# KiCad board MegaDrive.kicad_pcb (continued)
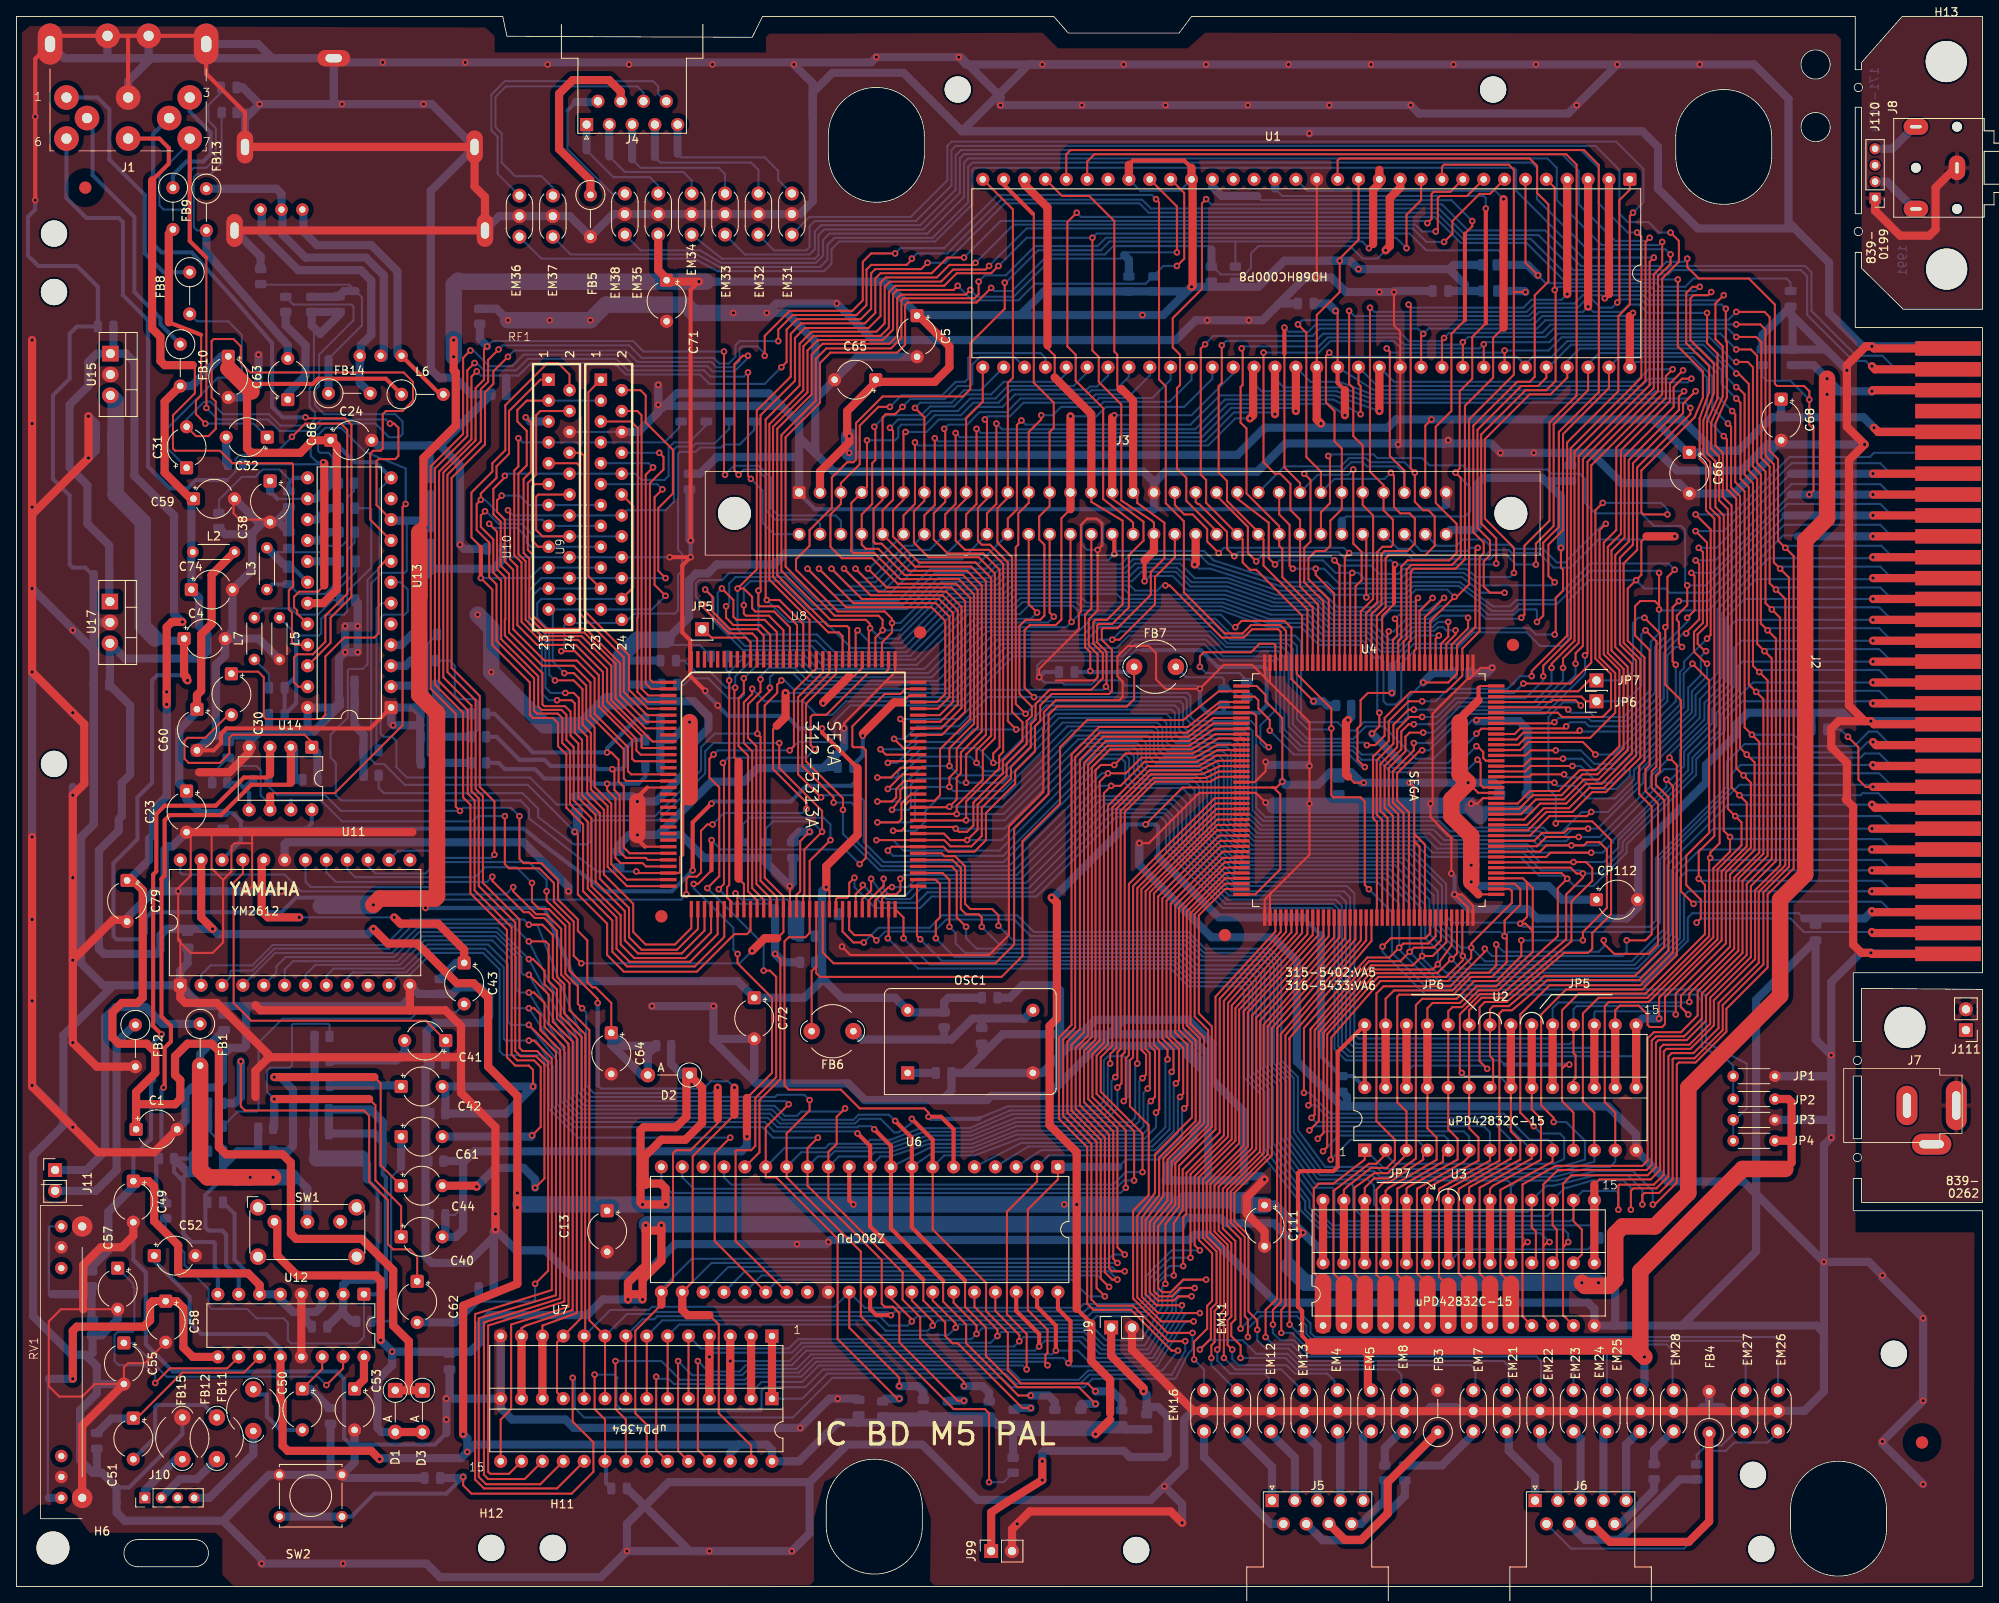
[diagram p0: board, top side]
## Routing (per net, layer and track width the routed paths; a pad name or vN(x,y) marks a point on that pad's centre or on a via; arc(x,y) is an arc through that point) (continued)
Net-(U10-~{SE}): length 63.2
  Top w0.25: 79.19,102.8 77.41,102.8 72.39,107.82 72.39,112.01 68.79,115.62 63.96,115.62 61.97,117.61 61.97,124.73 61.09,125.6 61.09,135.38 62.1,136.4 62.1,140.59 60.96,141.73 60.96,143.13 62.1,144.27 U10.3
  Bottom w0.25: U9.3 U10.3
Net-(U10-~{WB}/~{WE}): length 60.3
  Top w0.25: U8.15 74.81,98.8 74.42,99.19 74.42,102.11 70.36,106.17 70.36,110.49 68.2,112.65 64.26,112.65 60.45,116.46 60.45,123.7 59.44,124.71 59.44,129.79 58.49,130.74 58.49,132.15 v1(59.06,132.72)
  Bottom w0.25: U9.13 U10.13 62.36,131.57 61.21,132.72 v1(59.06,132.72)
Net-(U11-MOL): length 48.3
  Top w0.25: C41.1 49.83,68.83 28.58,68.83 26.43,70.98 26.43,85.62 27.56,86.74 U11.21
  Bottom w1: R53.1 52.2,66.37
Net-(U11-MOR): length 38.2
  Top w0.25: 30.1,81.92 30.23,81.79
  Top w1: U11.20 29.84,88.14 29.84,82.17 30.1,81.92 ; v1(45.97,81.41) 46.74,80.65 51.31,80.65 54.48,77.47 C43.1 ; v1(34.42,81.41) 30.61,81.41 30.23,81.79
  Bottom w0.25: v1(34.42,81.41) v1(45.97,81.41)
  Bottom w1: C43.1 53.51,75.87 R54.1
Net-(U12-EQ_IN_(A)): length 48.2
  Bottom w0.5: 43.43,37.34 43.94,37.85 43.94,48.26 42.67,49.53 ; 42.67,51.44 42.04,52.07 ; 36.58,52.07 36.32,52.32
  Bottom w1: 39.75,33.27 40.77,32.26 R51.1 ; 39.75,33.27 39.75,36.7 40.39,37.34 43.43,37.34 ; 39.75,33.27 39.49,33.27 C46.1 ; 36.32,52.32 36.2,52.45 R40.1 36.28,58.12 R35.2 R34.2 ; 42.67,49.53 42.67,51.44
  Bottom w2: 42.04,52.07 36.58,52.07
Net-(U12-EQ_IN_(B)): length 36.4
  Bottom w0.25: 23.32,55.55 25.15,53.72 R41.1
  Bottom w0.5: 29.42,55.07 R37.2 ; U12.7 27.05,37.59 25.53,39.12 25.53,42.8 25.02,43.31 23.37,43.31 22.99,43.69 22.99,47.62 25.14,49.78 25.14,50.29
  Bottom w1: R37.2 R39.2 26.92,52.96 25.14,51.18 25.14,50.29 25.14,52.95 ; R52.2 R38.2
Net-(U12-EQ_OUT_(A)): length 80.7
  Bottom w0.25: U12.1 42.29,30.35 41.53,29.59 33.4,29.59 33.02,29.97 33.02,32.13 32.51,32.64 29.21,32.64 28.07,33.78 23.75,33.78 23.37,34.16 23.37,36.2 20.45,39.12 20.45,40.64 18.16,42.93 R42.2
  Bottom w0.5: 44.58,51.31 44.58,50.17 44.96,49.78 44.96,36.45 44.07,35.56 U12.1
  Bottom w1: 44.58,54.1 44.58,56.52 43.05,58.04 R40.2 38.02,55.13 C45.2 43.56,55.12 44.58,54.1 ; 44.58,54.1 44.58,51.31
Net-(U12-EQ_OUT_(B)): length 34.4
  Bottom w0.5: 22.23,52.96 21.34,52.07 R43.2 19.18,50.42 20.32,49.28 ; 22.23,52.96 21.59,52.96 21.21,52.58 21.21,50.67 20.32,49.78 20.32,49.28 ; 22.23,52.96 R41.2 ; 20.32,49.28 20.32,42.93 21.34,41.91 24,41.91 24.13,41.78 24.13,38.86 24.51,38.48 24.51,35.56
  Bottom w1: R43.2 20.95,50.29 C48.2
Net-(U12-IN_(A)): length 131.9
  Top w0.5: 30.86,98.81 30.48,98.43 27.69,98.43 24.26,95 18.03,95 17.02,93.98 17.02,87 16.64,86.61 16.64,68.2 v1(17.65,67.18)
  Top w1: 30.86,98.81 U14.3 ; U12.6 29.59,36.7 28.19,38.1 19.94,38.1 19.69,38.35 19.69,41.53 16.76,44.45 16.76,48.64 16.08,49.32 C49.1
  Bottom w0.5: U12.6 29.59,36.7 26.54,39.75 26.54,45.33 25.14,46.74 ; C49.1 14.22,52.32 16.38,54.48 16.38,61.21 16.76,61.6 16.76,66.29 v1(17.65,67.18)
  Bottom w1: C49.1 14.22,48.64 11.18,45.59 11.18,40.89 9.14,38.86 R58.2 ; 32.77,34.29 33.66,33.4 35.18,33.4 ; 32.77,34.29 31.5,35.56 U12.6 ; 32.77,34.29 32.13,34.93 U12.5 ; C46.2 35.31,32.26 35.18,32.26 35.18,33.4 ; 35.18,33.4 36.45,33.4 37.21,34.16 U12.3
Net-(U12-NF_(A)): length 31
  Top w0.25: v1(37.72,24.51) 39.75,26.54 39.75,27.94
  Bottom w0.25: C55.1 14.18,29.64 18.29,25.53 36.7,25.53 v1(37.72,24.51)
Net-(U12-NF_(B)): length 32.2
  Top w0.25: v1(16.89,24.77) 18.67,26.54 25.65,26.54 U12.10
  Bottom w0.25: C57.1 14.22,36.83 14.22,36.45 14.35,36.32 14.35,31.24 14.1,30.99 12.32,30.99 11.94,30.61 11.94,27.43 12.45,26.92 15.62,26.92 16.89,25.65 v1(16.89,24.77)
Net-(U12-OUT_(A)): length 9.2
  Top w0.25: C50.1 37.21,26.46 U12.14
  Bottom w1: 38.11,21.71 35.77,24.05 C50.1
Net-(U12-OUT_(B)): length 23.2
  Top w0.25: U12.11 27.69,26.04 20.19,26.04 14.65,20.49
  Bottom w1: 14.18,20.45 11.56,20.45 C11.1
Net-(U12-VOL_IN): length 50.8
  Top w1: 24.51,27.94 21.46,27.94 20.32,29.08 20.32,33.91 19.51,34.72 C58.1 16.56,34.72 16.26,34.42 16.26,32.39 15.49,31.62 7.37,31.62 6.86,31.12 v1(6.86,25.27)
  Bottom w0.25: 3.94,25.27 3.81,25.15 3.81,10.92 3.94,10.8
  Bottom w1: 3.94,10.8 5.46,10.8 ; v1(6.86,25.27) 3.94,25.27
Net-(U12-Vreg): length 4.4
  Top w1: C53.1 42.29,25.19 U12.16
Net-(U13-AUDIO_IN): length 41.7
  Top w0.25: 25.91,111.3 29.42,111.3 30.1,110.62 30.1,105.79 30.35,105.54 37.08,105.54 37.59,106.05 37.59,113.16 39.88,115.44 43.56,115.44 44.07,115.95 44.07,123.95 44.83,124.71 U13.8
Net-(U13-AUDIO_OUT): length 108.4
  Top w0.25: U13.9 43.05,129.79 43.05,137.8 43.43,138.18 44.32,138.18 44.58,138.43 44.58,142.62 44.96,143 46.99,143 48.26,144.27 48.26,146.56 47.12,147.7 28.45,147.7 27.31,148.84 27.31,150.88 26.42,151.77 24,151.77 23.75,151.51 23.75,144.65 24.26,144.15 24.26,140.84 23.37,139.95 21.84,139.95 C31.2
  Bottom w0.25: 35.94,153.42 36.2,153.16 36.2,146.3 35.69,145.8 35.69,143.51 36.32,142.88 36.32,141.99 35.56,141.22 32.13,141.22 30.73,142.62 25.15,142.62 23.62,144.15 23.24,144.15 23.2,144.11 22.81,144.11 21.34,142.63 21.34,142.62 20.7,141.99 C31.2
  Bottom w1: C87.2 39.24,154.69 36.96,152.4 35.94,153.42 R72.1 39.24,155.07 C87.2
Net-(U13-B_IN): length 4.2
  Bottom w1: C27.2 48.13,115.82 46.86,114.55 U13.4
Net-(U13-B_OUT): length 87.5
  Top w0.25: U13.21 33.91,114.55 33.53,114.94 33.53,118.49 33.15,118.87 33.15,121.16 33.66,121.67 33.66,136.53 33.53,136.65 26.29,136.65 24.77,138.18 19.3,138.18 19.05,138.43 19.05,142.49 21.72,145.16 21.72,148.34 21.46,148.59
  Top w0.5: J1.8 17.4,176.15 18.54,175.01 18.54,173.1 16.51,171.07
  Top w1: 16.51,171.07 16.51,153.04 17.53,152.02 17.53,149.1 18.03,148.59 21.46,148.59
Net-(U13-C_SYNC_IN): length 217.6
  Top w0.25: U8.42 89.33,79.81 88.9,79.38 87.38,79.38 82.8,74.8 73.91,74.8 71.88,76.84 71.88,80.65 68.33,84.2 68.33,91.44 v1(67.95,91.82) ; 23.11,161.67 v1(23.11,143.38) ; v1(45.47,141.48) 45.97,141.48 46.48,140.97 46.48,137.54 46.1,137.16 44.07,137.16 43.81,136.91 43.81,131.57 U13.10
  Top w0.5: J1.7 21.09,163.7 23.11,161.67
  Bottom w0.25: 21.09,175.65 17.4,171.96 17.4,168.02 17.91,167.51 20.19,167.51 20.95,168.28 20.95,171.96 21.59,172.59 23.11,172.59 24.26,173.74 24.26,177.42 23.37,178.31 23.37,180.21 24.89,181.74 C113.1 ; U13.10 46.86,129.79 47.5,129.16 47.5,123.57 47.24,123.32 44.45,123.32 43.18,122.05 43.18,100.58 43.69,100.08 44.7,100.08 47.24,97.54 62.23,97.54 v1(67.95,91.82) ; v1(45.47,141.48) 44.96,141.99 37.08,141.99 35.69,140.59 32.02,140.59 30.62,141.99 24.51,141.99 v1(23.11,143.38)
  Bottom w1: C103.1 68.2,92.08 v1(67.95,91.82) ; C105.1 R16.2 49.4,129.67 45.72,129.67
Net-(U13-C_VIDEO_OUT): length 85.8
  Top w0.25: 37.47,121.79 36.7,121.03 34.42,121.03 33.78,120.4 33.78,119.13 34.16,118.75 34.16,118.36 U13.20 ; v1(37.34,136.78) 37.47,136.65
  Top w1: 37.47,136.65 37.47,121.79
  Bottom w0.25: R70.2 33.7,155.96 40.77,155.96 41.02,155.7 41.02,154.05 36.83,149.86 36.83,146.05 36.32,145.54 36.32,143.76 37.47,142.62 46.1,142.62 46.99,141.73 46.99,140.21 46.61,139.83 45.34,139.83 43.69,141.48 37.21,141.48 35.81,140.08 35.81,137.54 36.58,136.78 v1(37.34,136.78) 37.08,136.53 R25.2
Net-(U13-CHROMA_IN): length 3.9
  Bottom w1: U13.17 C33.1
Net-(U13-CHROMA_OUT): length 4.5
  Bottom w1: U13.15 36.58,129.79 37.97,131.19 R28.1
Net-(U13-G_IN): length 3.8
  Bottom w1: U13.3 47.37,112.01 48.01,112.65 C26.2
Net-(U13-G_OUT): length 85.9
  Top w0.25: v1(35.18,142.24) 35.31,142.11 40,142.11 40.77,141.35 40.77,120.4 38.23,117.86 38.23,114.81 U13.22
  Bottom w0.5: J1.5 16.64,176.7 16.64,163.32 17.65,162.31 21.34,162.31 26.29,156.85 31.11,151.26 31.11,143.51 32.39,142.24 v1(35.18,142.24)
Net-(U13-I_REF): length 16
  Bottom w0.25: 33.4,134.49 32,135.89 29.97,135.89 29.08,135 27.43,135 24.64,132.21 R30.2
  Bottom w0.5: C95.1 33.15,134.24 33.78,134.87 U13.13
Net-(U13-R_IN): length 3.4
  Bottom w1: C25.2 45.72,109.6
Net-(U13-R_OUT): length 112.5
  Top w0.25: U13.23 34.29,109.47 33.78,109.98 33.78,113.03 34.16,113.41 36.07,113.41 37.59,114.94 37.59,118.11 40.26,120.78 40.26,140.72 39.5,141.48 35.14,141.48 v1(33.53,139.86)
  Bottom w0.25: 25.65,134.62 26.67,135.64 26.67,137.17 27.17,137.67 31.33,137.67 v1(33.53,139.86)
  Bottom w0.5: J1.6 6.09,168.92 8.51,166.5 12.45,166.5 12.95,165.99 12.95,157.1 16,154.05 16,136.27 18.67,133.6 20.83,133.6 21.84,134.62 25.65,134.62
Net-(U13-XO_IN): length 19.1
  Bottom w0.25: 43.81,101.98 43.81,119 44.45,119.63 U13.6
Net-(U13-Y_IN): length 23.8
  Bottom w0.25: 31.05,125.79 31.1,125.84 37.19,125.84 37.97,126.62 39.62,126.62 40.26,127.25 40.26,132.46 41.07,133.27 R29.2
  Bottom w0.5: U13.18 33.27,124.33
  Bottom w1: L3.2 32.51,124.33 33.27,124.33
Net-(U13-Y_OUT): length 4.3
  Bottom w1: U13.16 36.96,127.25 37.97,128.27 R27.1
Net-(U14A--): length 75.1
  Top w0.5: 33.4,97.79 33.15,97.54 28.58,97.54 24.89,93.85 18.67,93.85 18.03,93.22 18.03,86.49 17.65,86.11 17.65,69.34 18.8,68.2 18.8,66.29 18.03,65.53 18.03,60.83 v1(17.91,60.71)
  Top w1: 33.4,97.79 U14.2
  Bottom w0.5: v1(17.91,60.71) 17.65,60.45 17.65,53.34 17.02,52.71 17.02,48.39 18.16,47.24 R42.1
  Bottom w1: R74.1 33.91,98.17 33.78,98.3 33.78,101.73 U14.2
Net-(U14B-+): length 6.5
  Bottom w0.5: 27.69,97.16 27.05,97.79 R65.1 ; 27.69,97.16 28.32,96.52 U14.5 ; 27.69,97.16 28.58,98.04

## Copper pours and planes (outline as drawn; the poured copper is in the pictures)
GND on Top: 0.66,189.03 1.63,189.84 57.05,189.66 58.19,188.65 58.19,186.61 91.21,186.61 91.21,188.52 91.59,188.9 124.87,189.03 126.77,187.12 142.52,187.12 144.68,189.03 221.39,188.9 222.02,188.26 222.02,153.47 223.99,151.43 223.8,43.1 238.28,43.1 238.23,1.04 237.59,0.41 111.68,0.15 111.18,0.66 111.28,8.31 109.75,12.75 104.17,15.67 98.32,12.75 97.05,8.31 97.05,0.66 96.55,0.15 26.57,-0.08 25.05,1.45 25.05,5.77 24.28,6.53 8.92,6.53 7.26,8.74 3.73,9.98 2.69,9.96 0.76,8.53
GND on Bottom: 0.63,188.98 0.76,8.51 2.67,9.65 7.37,9.65 9.91,6.86 24.89,6.86 25.91,5.97 25.91,1.02 26.54,0.51 207.26,0.64 215.01,8.51 222.12,16.51 222.12,0.64 238.51,0.64 239.27,1.4 239.27,44.07 238.76,44.45 224.16,44.45 222.12,46.48 222.12,73.15 222.38,189.23 221.62,190.12 144.27,189.99 142.49,188.21 127.13,188.21 125.48,189.99 92.2,189.99 91.19,189.23 91.19,187.45 58.42,187.45 58.42,189.36 57.66,189.99 1.65,189.87
VCC on Top: 85.85,102.62 85.85,123.19 89.41,123.19 89.41,134.11 85.09,134.11 85.09,159.77 80.52,159.77 80.52,132.59 77.98,130.05 77.98,112.01 83.82,105.41 83.82,102.62
/AudioShield on Top: 239.27,191.01 239.27,155.45 229.62,155.45 224.54,160.4 224.54,185.42 229.49,191.01
/DCin1 on Top: 224.54,72.77 239.27,72.77 239.27,46.74 224.54,46.74
/DCin2 on Bottom: 224.54,72.77 239.27,72.77 239.27,46.74 224.54,46.74
Net-(J110-Pin_2) on Bottom: 229.62,171.58 230.5,170.69 232.92,170.69 232.92,165.61 231.14,165.61 228.6,163.7 228.6,159.13 231.14,156.72 231.14,155.96 229.74,155.96 225.17,160.53 225.17,171.58
Net-(J110-Pin_4) on Bottom: 226.19,174.24 232.92,174.24 232.92,179.07 228.09,179.07 228.09,175.51 226.19,175.51

## Text on the board
Bottom: 171-5674 | 1991
B.Silkscreen: SEGS | 2413
F.Silkscreen: 315-5402:VA5 / 316-5433:VA6 | JP7 | JP6 | JP5 | 839- | 0262 | 0199 | SEGA | YAMAHA | IC BD M5 PAL
